# Altium PCB PCB1.PcbDoc
Units mil, origin at the board's own origin, x right, y up, seen from the top; angles counter-clockwise.
Board outline 2400 x 2040 mil, 4 copper layers (Top Layer, GND, POW, Bottom Layer), stack 23.756 mil thick; 87 components, 50 nets, 218 pads, 103 vias.
Unrouted connection lines stored in the file: 17.
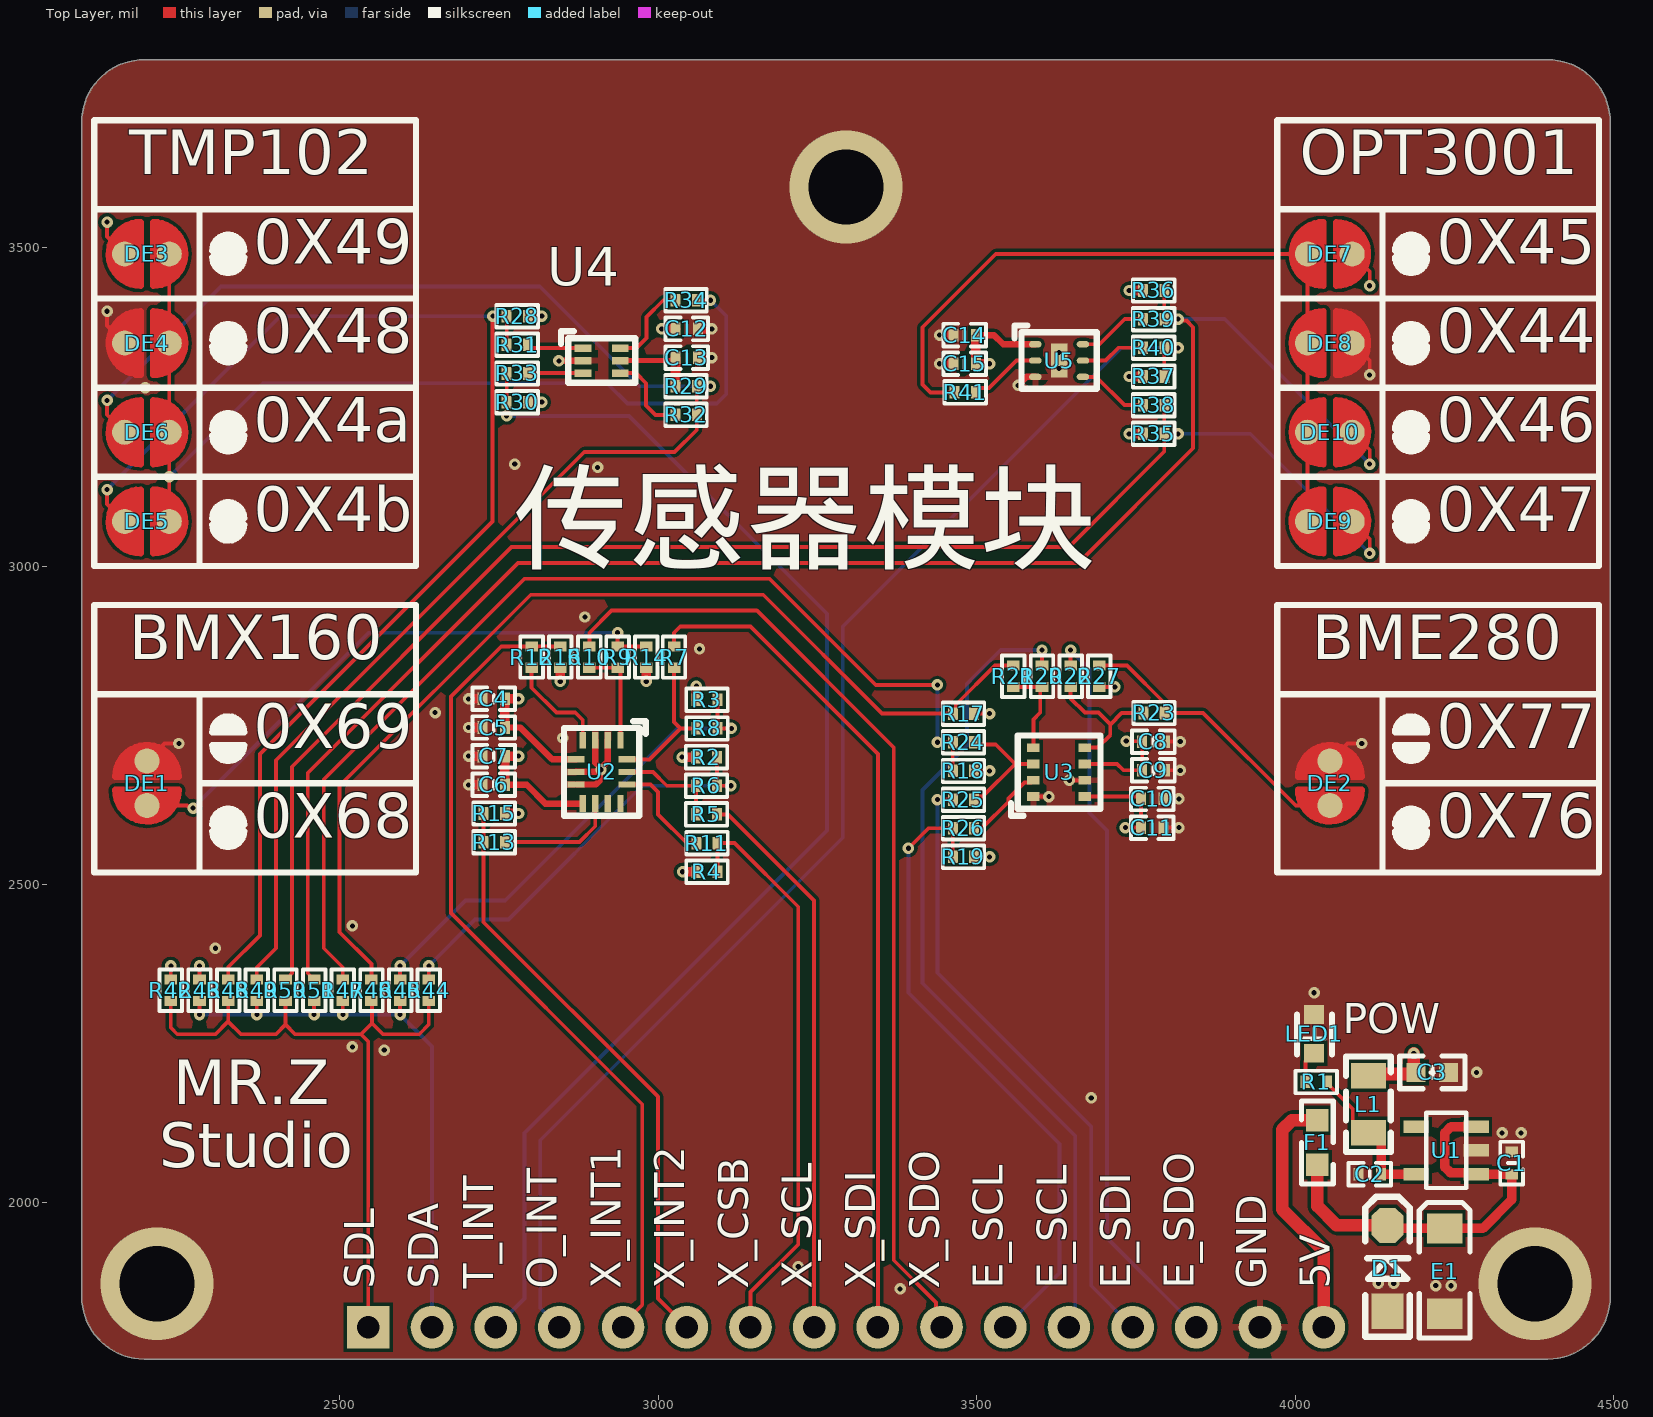
[diagram p0: Top Layer view]
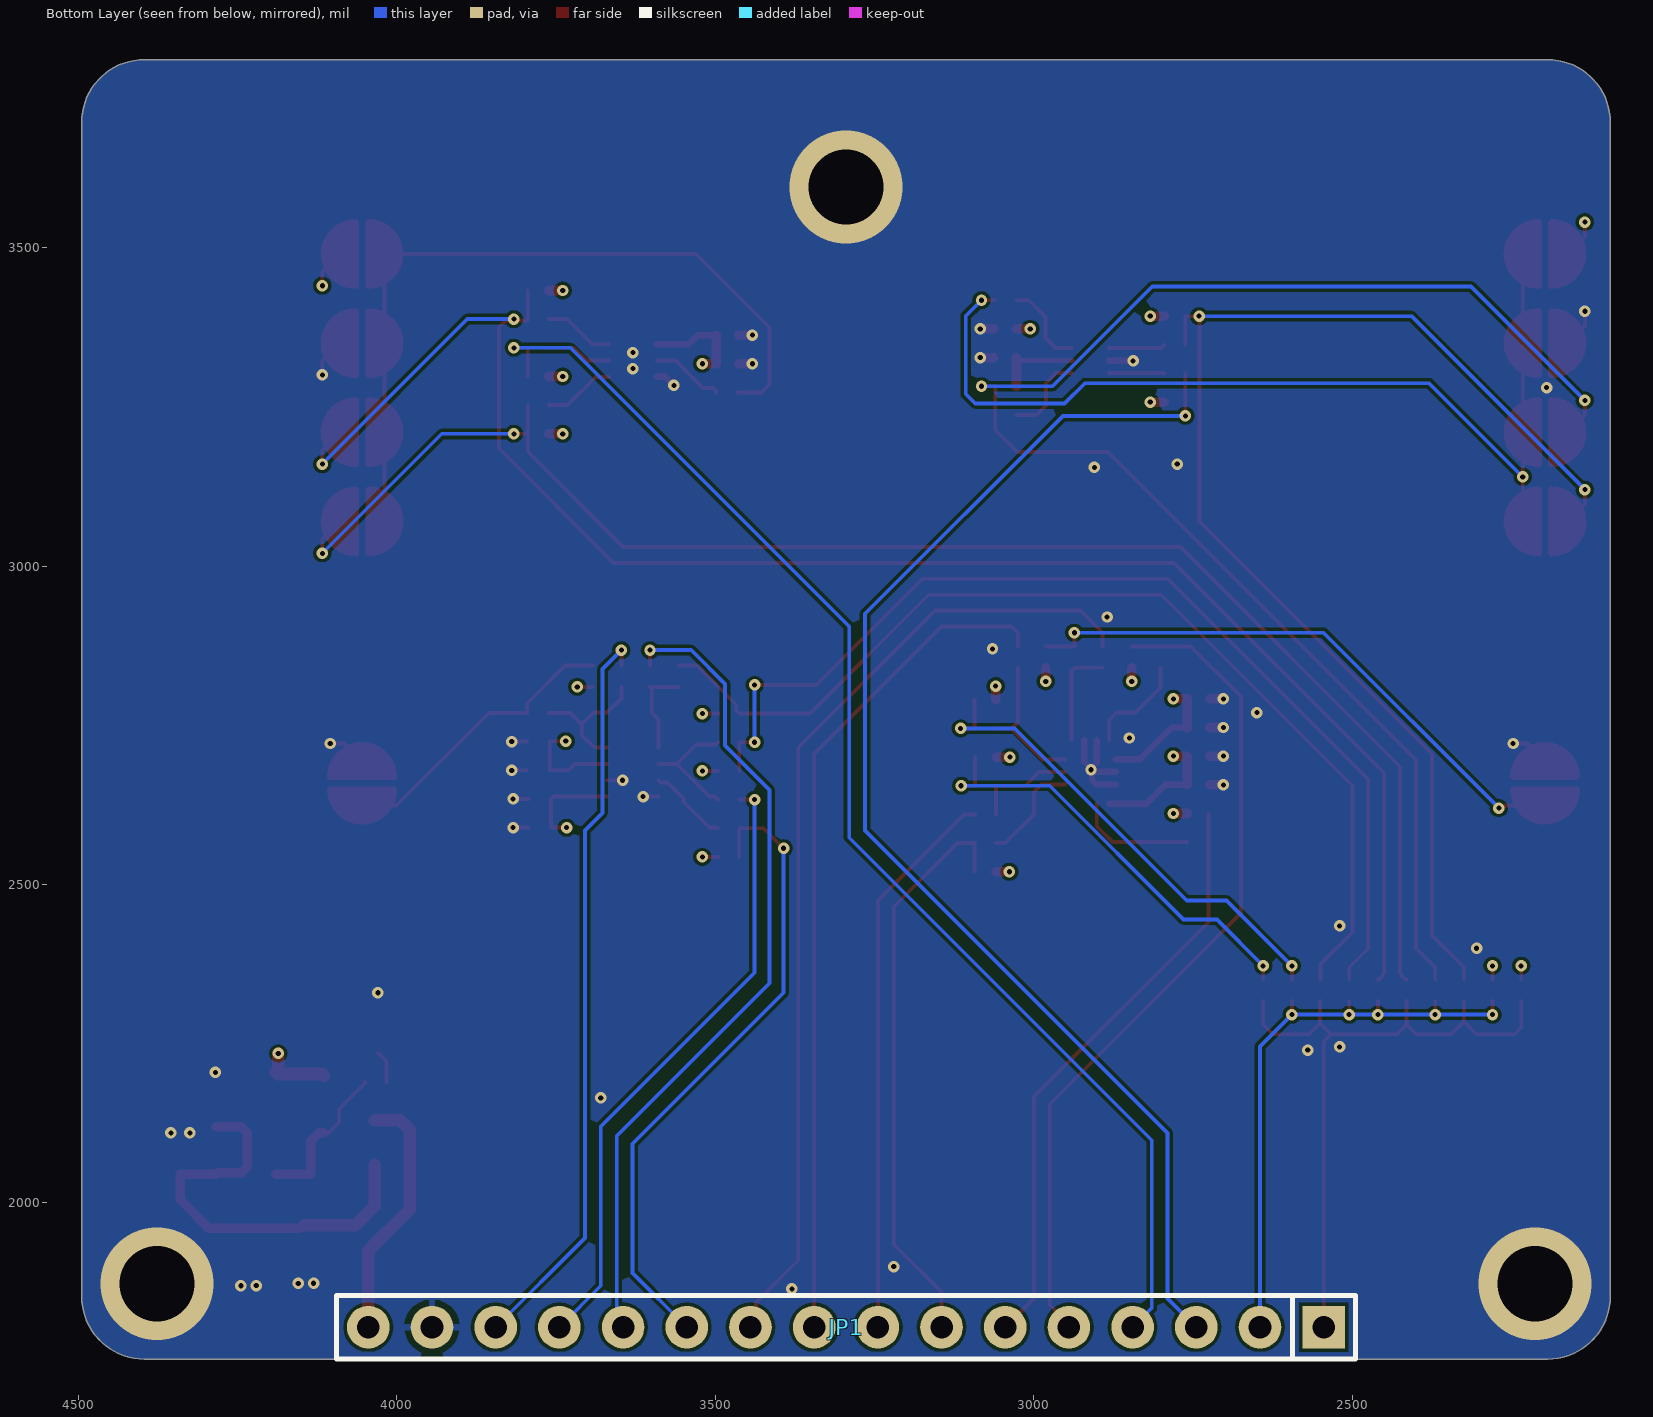
[diagram p1: Bottom Layer view, seen from below]
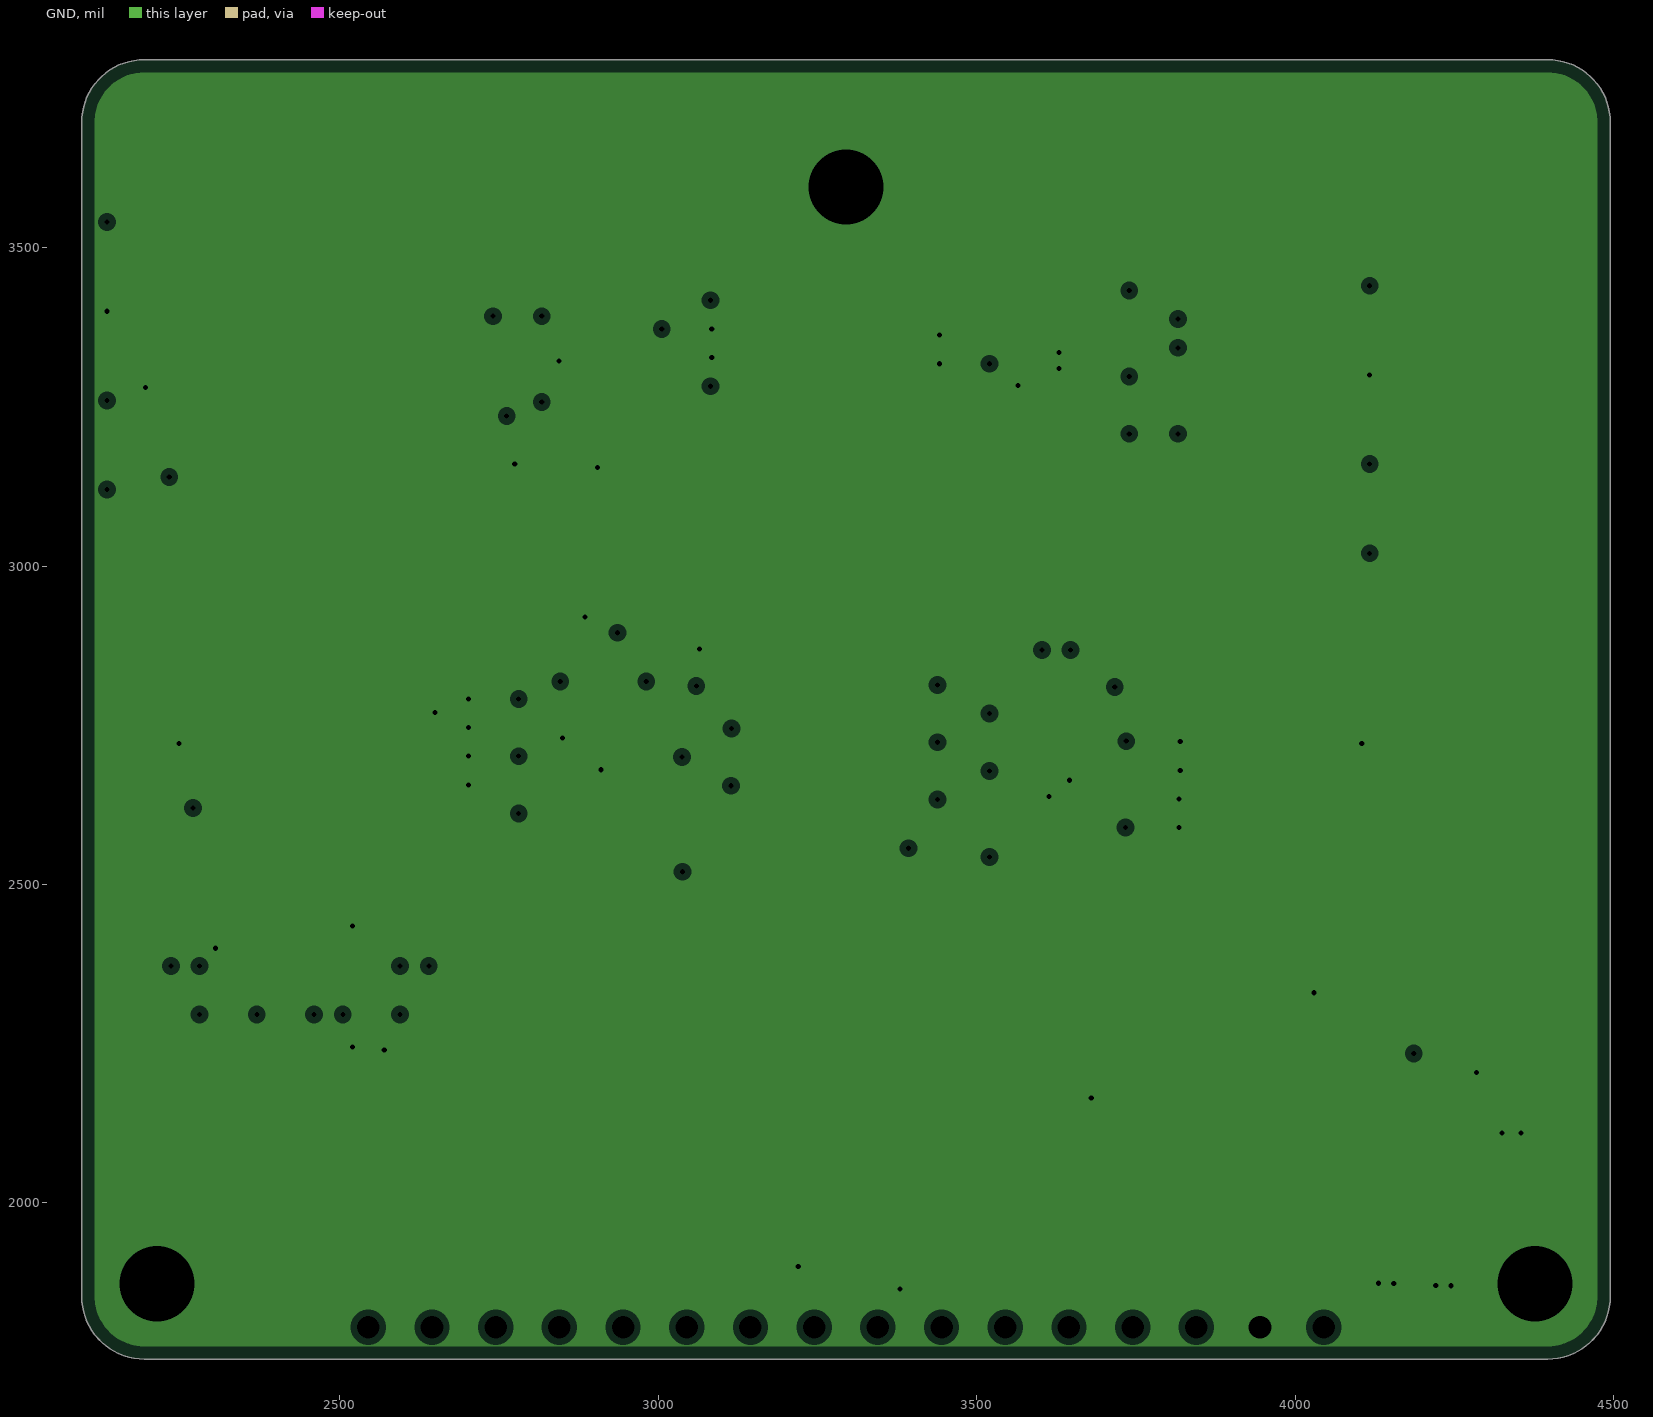
[diagram p2: GND, clearances drawn from the general rule]
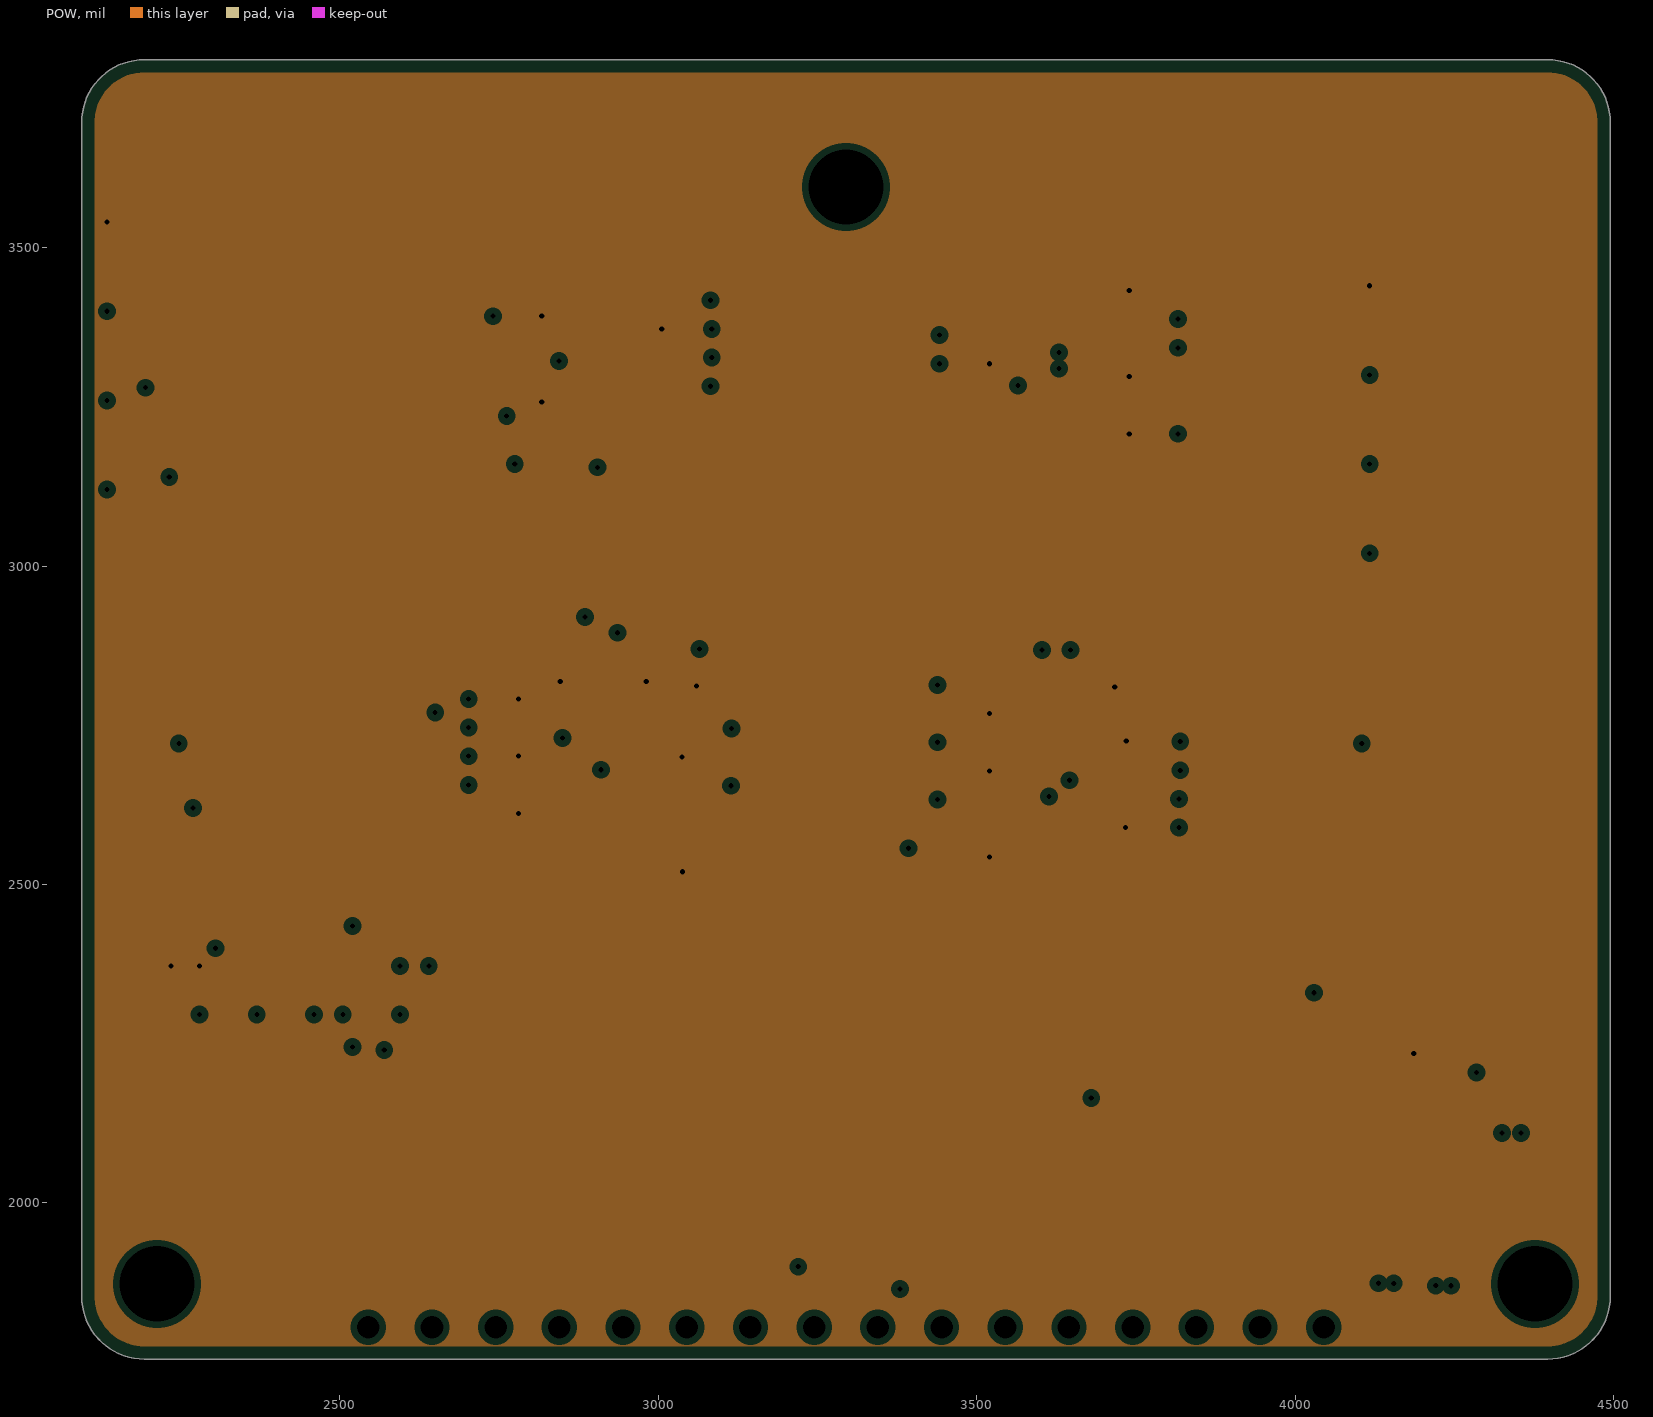
[diagram p3: POW, clearances drawn from the general rule]

## Layer stack, top to bottom
Top Solder: solder mask 0.4, Solder Resist, Dk 3.5
Top Layer: signal copper 1.4
Dielectric 2: prepreg 2.8, PP-006, Dk 4.1
GND: plane copper 1.378, net GND
Dielectric 1: dielectric 12.6, FR-4, Dk 4.8
POW: plane copper 1.378, net 3V3
Dielectric 3: prepreg 2.8, PP-006, Dk 4.1
Bottom Layer: signal copper 1.4
Bottom Solder: solder mask 0.4, Solder Resist, Dk 3.5

## Board outline
2095,1853.43 2095,3696.57 cw(c2193.42,3696.57) 2193.42,3795 4396.57,3795 cw(c4396.57,3696.57) 4495,3696.57 4495,1853.43 cw(c4396.57,1853.43) 4396.57,1755 2193.42,1755 cw(c2193.42,1853.43)

## Design rules (kind name [scope] priority, off if disabled: settings)
Clearance [All] p1: gap=5 ignorepadtopadclearanceinfootprint=TRUE
ComponentClearance [All] p1: gap=0 collisioncheckmode=3 verticalgap=0 showdistances=FALSE
PlaneClearance [All] p1: clearance=10
PlaneConnect [All] p1: planeconnectstyle=Direct reliefexpansion=20 reliefentries=4 reliefconductorwidth=10 reliefairgap=10
PolygonConnect [All] p1: connectstyle=Relief reliefconductorwidth=10 reliefentries=4 polygonreliefangle="90 Angle" airgapwidth=10
RoutingVias [All] p1: holewidth=8 width=18 viastyle="Through Hole" minholewidth=8 minwidth=18 maxholewidth=8 maxwidth=18
SolderMaskExpansion [All] p1: expansion=4 istentingtop=FALSE
Width [All] p1: maxlimit=60 minlimit=6 preferedwidth=8
27 further rules are at their usual default settings.

## Classes and differential pairs
component class TMP102: C12 DE3 DE4 DE5 DE6 R28 R29 R30 R31 R32 R33 R34 U4
component class POW: C1 C2 C3 D1 E1 F1 L1 LED1 R1 U1
component class OUT_PIN: JP1 R42 R43 R44 R45 R46 R47 R48 R49 R50 R51
component class OPT3001: C14 C15 DE7 DE8 DE9 DE10 R35 R36 R37 R38 R39 R40 R41 U5
component class BMX160: C4 C5 C6 C7 DE1 R2 R3 R4 R5 R6 R7 R8 R9 R10 R11 R12 R13 R14 R15 R16 U2
component class BME280: C8 C9 C10 C11 DE2 R17 R18 R19 R20 R21 R22 R23 R24 R25 R26 R27 U3

## Components (designator, comment, footprint, x,y, rotation, side; value= is the part's Value field where it differs from the comment)
C1 "1uF/16V" "C 0402_L" 4340,2062.71 r270 top
C2 "1uF/16V" "C 0402_L" 4117.29,2045 r0 top
C3 "10uF/16V" "C 0603_L" 4215.59,2205 r180 top
C4 "1uF/16V" "C 0402_L" 2741.85,2791.49 r0 top
C5 "100nF/16V" "C 0402_L" 2741.85,2746.49 r180 top
C6 "1uF/16V" "C 0402_L" 2741.85,2656.49 r0 top
C7 "100nF/16V" "C 0402_L" 2741.85,2701.49 r180 top
C8 "1uF/16V" "C 0402_L" 3777.71,2724.28 r180 top
C9 "100nF/16V" "C 0402_L" 3777.71,2679.28 r0 top
C10 "1uF/16V" "C 0402_L" 3775.75,2634.28 r180 top
C11 "100nF/16V" "C 0402_L" 3775.75,2589.29 r0 top
C12 "1uF/16V" "C 0402_L" 3045,3372.28 r180 top
C13 "100nF/16V" "C 0402_L" 3045,3327.29 r0 top
C14 "1uF/16V" "C 0402_L" 3481.3,3362.6 r0 top
C15 "100nF/16V" "C 0402_L" 3481.3,3317.6 r180 top
D1 "BZT52C15" SOD-123 4145,1897.5 r90 top
DE1 "DEBUG PAD" DEBUG_A#1 2197.5,2658.9 r90 top
DE2 "DEBUG PAD" DEBUG_A#2 4054.7,2658.9 r90 top
DE3 "DEBUG PAD" DEBUG_A#3 2197.5,3490 r180 top
DE4 "DEBUG PAD" DEBUG_A#4 2197.5,3350 r180 top
DE5 "DEBUG PAD" DEBUG_A#5 2197.5,3070 r180 top
DE6 "DEBUG PAD" DEBUG_A#3 2197.5,3210 r180 top
DE7 "DEBUG PAD" DEBUG_A#4 4054.7,3490 r0 top
DE8 "DEBUG PAD" DEBUG_A#4 4054.7,3350 r0 top
DE9 "DEBUG PAD" DEBUG_A#5 4054.7,3070 r0 top
DE10 "DEBUG PAD" DEBUG_A#3 4054.7,3210 r0 top
E1 "4.7uF/16V" "CD A(3216)" 4235,1893.07 r270 top
F1 "MSMD200-8V 2A" "FU 0603" 4035,2095 r270 top
JP1 "HDR-1X16" HDR2.54-LI-16P 3295,1805 r0 bottom
L1 "GZ2012D121TF" "L 0805" 4115,2155 r90 top
LED1 "红色" LED 4030,2296.02 r270 top
R1 "15K" "R 0402_L" 4034.25,2190 r180 top
R2 "10K" "R 0402_L" 3075,2700 r0 top
R3 "10K" "R 0402_L" 3075.75,2790 r0 top
R4 "10K" "R 0402_L" 3075.75,2520 r0 top
R5 "NOT" "R 0402_L" 3076.96,2610 r180 top
R6 "0" "R 0402_L" 3076.96,2655 r180 top
R7 "NOT" "R 0402_L" 3025,2858.02 r270 top
R8 "0" "R 0402_L" 3077.71,2745 r180 top
R9 "0" "R 0402_L" 2936.42,2858.02 r270 top
R10 "NOT" "R 0402_L" 2892.14,2858.02 r270 top
R11 "NOT" "R 0402_L" 3077.71,2565 r180 top
R12 "0" "R 0402_L" 2801.42,2858.02 r270 top
R13 "0" "R 0402_L" 2741.85,2566.49 r0 top
R14 "10K" "R 0402_L" 2981.42,2856.06 r90 top
R15 "10K" "R 0402_L" 2743.81,2611.49 r180 top
R16 "10K" "R 0402_L" 2846.42,2856.06 r90 top
R17 "10K" "R 0402_L" 3480.43,2768.28 r180 top
R18 "10K" "R 0402_L" 3480.43,2678.27 r180 top
R19 "10K" "R 0402_L" 3480.43,2543.28 r180 top
R20 "NOT" "R 0402_L" 3602.71,2827.96 r270 top
R21 "0" "R 0402_L" 3557.71,2827.96 r270 top
R22 "NOT" "R 0402_L" 3647.71,2827.96 r270 top
R23 "0" "R 0402_L" 3779.68,2769.28 r180 top
R24 "0" "R 0402_L" 3478.46,2723.28 r0 top
R25 "NOT" "R 0402_L" 3478.46,2633.27 r0 top
R26 "NOT" "R 0402_L" 3478.46,2588.28 r0 top
R27 "10K" "R 0402_L" 3692.71,2826 r90 top
R28 "10K" "R 0402_L" 2780,3392.28 r180 top
R29 "10K" "R 0402_L" 3043.03,3282.29 r0 top
R30 "10K" "R 0402_L" 2780,3257.28 r180 top
R31 "0" "R 0402_L" 2778.03,3347.29 r0 top